# KiCad board demomatrix.kicad_pcb (continued)
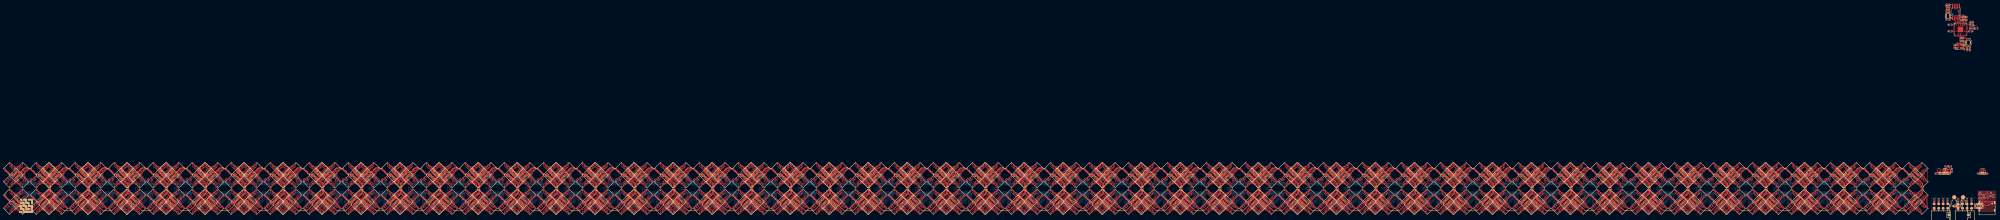
[diagram p0: board, top side]
## Library data of the parts (continued)
U112 = -: atopile_address: clusters[22].rows[0].pixels[0].generic_pixel; atopile_subaddresses: [elec/layout/cluster2x2/cluster2x2.kicad_pcb:rows[0].pixels[0].generic_pixel, elec/layout/pixel15hl5050/pixel15hl5050.kicad_pcb:generic_pixel, elec/layout/row2/row2.kicad_pcb:pixels[0].generic_pixel]
U113 = -: atopile_address: clusters[22].rows[0].pixels[1].generic_pixel; atopile_subaddresses: [elec/layout/cluster2x2/cluster2x2.kicad_pcb:rows[0].pixels[1].generic_pixel, elec/layout/pixel15hl5050/pixel15hl5050.kicad_pcb:generic_pixel, elec/layout/row2/row2.kicad_pcb:pixels[1].generic_pixel]
U114 = -: atopile_address: clusters[22].rows[1].pixels[0].generic_pixel; atopile_subaddresses: [elec/layout/cluster2x2/cluster2x2.kicad_pcb:rows[1].pixels[0].generic_pixel, elec/layout/pixel15hl5050/pixel15hl5050.kicad_pcb:generic_pixel, elec/layout/row2/row2.kicad_pcb:pixels[0].generic_pixel]
U115 = -: atopile_address: clusters[22].rows[1].pixels[1].generic_pixel; atopile_subaddresses: [elec/layout/cluster2x2/cluster2x2.kicad_pcb:rows[1].pixels[1].generic_pixel, elec/layout/pixel15hl5050/pixel15hl5050.kicad_pcb:generic_pixel, elec/layout/row2/row2.kicad_pcb:pixels[1].generic_pixel]
U116 = -: Datasheet: https://lcsc.com/datasheet/lcsc_datasheet_1811151431_MBI-MBI5043GP-A_C110098.pdf; LCSC: C110098; Manufacturer: MBI; Partnumber: MBI5043GP-A; atopile_address: clusters[23].driver.package; atopile_subaddresses: [elec/layout/cluster2x2/cluster2x2.kicad_pcb:driver.package, elec/src/macroblock-mbi5043/layouts/default/default.kicad_pcb:package]
U117 = -: atopile_address: clusters[23].rows[0].pixels[0].generic_pixel; atopile_subaddresses: [elec/layout/cluster2x2/cluster2x2.kicad_pcb:rows[0].pixels[0].generic_pixel, elec/layout/pixel15hl5050/pixel15hl5050.kicad_pcb:generic_pixel, elec/layout/row2/row2.kicad_pcb:pixels[0].generic_pixel]
U118 = -: atopile_address: clusters[23].rows[0].pixels[1].generic_pixel; atopile_subaddresses: [elec/layout/cluster2x2/cluster2x2.kicad_pcb:rows[0].pixels[1].generic_pixel, elec/layout/pixel15hl5050/pixel15hl5050.kicad_pcb:generic_pixel, elec/layout/row2/row2.kicad_pcb:pixels[1].generic_pixel]
U119 = -: atopile_address: clusters[23].rows[1].pixels[0].generic_pixel; atopile_subaddresses: [elec/layout/cluster2x2/cluster2x2.kicad_pcb:rows[1].pixels[0].generic_pixel, elec/layout/pixel15hl5050/pixel15hl5050.kicad_pcb:generic_pixel, elec/layout/row2/row2.kicad_pcb:pixels[0].generic_pixel]
U120 = -: atopile_address: clusters[23].rows[1].pixels[1].generic_pixel; atopile_subaddresses: [elec/layout/cluster2x2/cluster2x2.kicad_pcb:rows[1].pixels[1].generic_pixel, elec/layout/pixel15hl5050/pixel15hl5050.kicad_pcb:generic_pixel, elec/layout/row2/row2.kicad_pcb:pixels[1].generic_pixel]
U121 = -: Datasheet: https://lcsc.com/datasheet/lcsc_datasheet_1811151431_MBI-MBI5043GP-A_C110098.pdf; LCSC: C110098; Manufacturer: MBI; Partnumber: MBI5043GP-A; atopile_address: clusters[24].driver.package; atopile_subaddresses: [elec/layout/cluster2x2/cluster2x2.kicad_pcb:driver.package, elec/src/macroblock-mbi5043/layouts/default/default.kicad_pcb:package]
U122 = -: atopile_address: clusters[24].rows[0].pixels[0].generic_pixel; atopile_subaddresses: [elec/layout/cluster2x2/cluster2x2.kicad_pcb:rows[0].pixels[0].generic_pixel, elec/layout/pixel15hl5050/pixel15hl5050.kicad_pcb:generic_pixel, elec/layout/row2/row2.kicad_pcb:pixels[0].generic_pixel]
U123 = -: atopile_address: clusters[24].rows[0].pixels[1].generic_pixel; atopile_subaddresses: [elec/layout/cluster2x2/cluster2x2.kicad_pcb:rows[0].pixels[1].generic_pixel, elec/layout/pixel15hl5050/pixel15hl5050.kicad_pcb:generic_pixel, elec/layout/row2/row2.kicad_pcb:pixels[1].generic_pixel]
U124 = -: atopile_address: clusters[24].rows[1].pixels[0].generic_pixel; atopile_subaddresses: [elec/layout/cluster2x2/cluster2x2.kicad_pcb:rows[1].pixels[0].generic_pixel, elec/layout/pixel15hl5050/pixel15hl5050.kicad_pcb:generic_pixel, elec/layout/row2/row2.kicad_pcb:pixels[0].generic_pixel]
U125 = -: atopile_address: clusters[24].rows[1].pixels[1].generic_pixel; atopile_subaddresses: [elec/layout/cluster2x2/cluster2x2.kicad_pcb:rows[1].pixels[1].generic_pixel, elec/layout/pixel15hl5050/pixel15hl5050.kicad_pcb:generic_pixel, elec/layout/row2/row2.kicad_pcb:pixels[1].generic_pixel]
U126 = -: Datasheet: https://lcsc.com/datasheet/lcsc_datasheet_1811151431_MBI-MBI5043GP-A_C110098.pdf; LCSC: C110098; Manufacturer: MBI; Partnumber: MBI5043GP-A; atopile_address: clusters[25].driver.package; atopile_subaddresses: [elec/layout/cluster2x2/cluster2x2.kicad_pcb:driver.package, elec/src/macroblock-mbi5043/layouts/default/default.kicad_pcb:package]
U127 = -: atopile_address: clusters[25].rows[0].pixels[0].generic_pixel; atopile_subaddresses: [elec/layout/cluster2x2/cluster2x2.kicad_pcb:rows[0].pixels[0].generic_pixel, elec/layout/pixel15hl5050/pixel15hl5050.kicad_pcb:generic_pixel, elec/layout/row2/row2.kicad_pcb:pixels[0].generic_pixel]
U128 = -: atopile_address: clusters[25].rows[0].pixels[1].generic_pixel; atopile_subaddresses: [elec/layout/cluster2x2/cluster2x2.kicad_pcb:rows[0].pixels[1].generic_pixel, elec/layout/pixel15hl5050/pixel15hl5050.kicad_pcb:generic_pixel, elec/layout/row2/row2.kicad_pcb:pixels[1].generic_pixel]
U129 = -: atopile_address: clusters[25].rows[1].pixels[0].generic_pixel; atopile_subaddresses: [elec/layout/cluster2x2/cluster2x2.kicad_pcb:rows[1].pixels[0].generic_pixel, elec/layout/pixel15hl5050/pixel15hl5050.kicad_pcb:generic_pixel, elec/layout/row2/row2.kicad_pcb:pixels[0].generic_pixel]
U130 = -: atopile_address: clusters[25].rows[1].pixels[1].generic_pixel; atopile_subaddresses: [elec/layout/cluster2x2/cluster2x2.kicad_pcb:rows[1].pixels[1].generic_pixel, elec/layout/pixel15hl5050/pixel15hl5050.kicad_pcb:generic_pixel, elec/layout/row2/row2.kicad_pcb:pixels[1].generic_pixel]
U131 = -: Datasheet: https://lcsc.com/datasheet/lcsc_datasheet_1811151431_MBI-MBI5043GP-A_C110098.pdf; LCSC: C110098; Manufacturer: MBI; Partnumber: MBI5043GP-A; atopile_address: clusters[26].driver.package; atopile_subaddresses: [elec/layout/cluster2x2/cluster2x2.kicad_pcb:driver.package, elec/src/macroblock-mbi5043/layouts/default/default.kicad_pcb:package]
U132 = -: atopile_address: clusters[26].rows[0].pixels[0].generic_pixel; atopile_subaddresses: [elec/layout/cluster2x2/cluster2x2.kicad_pcb:rows[0].pixels[0].generic_pixel, elec/layout/pixel15hl5050/pixel15hl5050.kicad_pcb:generic_pixel, elec/layout/row2/row2.kicad_pcb:pixels[0].generic_pixel]
U133 = -: atopile_address: clusters[26].rows[0].pixels[1].generic_pixel; atopile_subaddresses: [elec/layout/cluster2x2/cluster2x2.kicad_pcb:rows[0].pixels[1].generic_pixel, elec/layout/pixel15hl5050/pixel15hl5050.kicad_pcb:generic_pixel, elec/layout/row2/row2.kicad_pcb:pixels[1].generic_pixel]
U134 = -: atopile_address: clusters[26].rows[1].pixels[0].generic_pixel; atopile_subaddresses: [elec/layout/cluster2x2/cluster2x2.kicad_pcb:rows[1].pixels[0].generic_pixel, elec/layout/pixel15hl5050/pixel15hl5050.kicad_pcb:generic_pixel, elec/layout/row2/row2.kicad_pcb:pixels[0].generic_pixel]
U135 = -: atopile_address: clusters[26].rows[1].pixels[1].generic_pixel; atopile_subaddresses: [elec/layout/cluster2x2/cluster2x2.kicad_pcb:rows[1].pixels[1].generic_pixel, elec/layout/pixel15hl5050/pixel15hl5050.kicad_pcb:generic_pixel, elec/layout/row2/row2.kicad_pcb:pixels[1].generic_pixel]
U136 = -: Datasheet: https://lcsc.com/datasheet/lcsc_datasheet_1811151431_MBI-MBI5043GP-A_C110098.pdf; LCSC: C110098; Manufacturer: MBI; Partnumber: MBI5043GP-A; atopile_address: clusters[27].driver.package; atopile_subaddresses: [elec/layout/cluster2x2/cluster2x2.kicad_pcb:driver.package, elec/src/macroblock-mbi5043/layouts/default/default.kicad_pcb:package]
U137 = -: atopile_address: clusters[27].rows[0].pixels[0].generic_pixel; atopile_subaddresses: [elec/layout/cluster2x2/cluster2x2.kicad_pcb:rows[0].pixels[0].generic_pixel, elec/layout/pixel15hl5050/pixel15hl5050.kicad_pcb:generic_pixel, elec/layout/row2/row2.kicad_pcb:pixels[0].generic_pixel]
U138 = -: atopile_address: clusters[27].rows[0].pixels[1].generic_pixel; atopile_subaddresses: [elec/layout/cluster2x2/cluster2x2.kicad_pcb:rows[0].pixels[1].generic_pixel, elec/layout/pixel15hl5050/pixel15hl5050.kicad_pcb:generic_pixel, elec/layout/row2/row2.kicad_pcb:pixels[1].generic_pixel]
U139 = -: atopile_address: clusters[27].rows[1].pixels[0].generic_pixel; atopile_subaddresses: [elec/layout/cluster2x2/cluster2x2.kicad_pcb:rows[1].pixels[0].generic_pixel, elec/layout/pixel15hl5050/pixel15hl5050.kicad_pcb:generic_pixel, elec/layout/row2/row2.kicad_pcb:pixels[0].generic_pixel]
U140 = -: atopile_address: clusters[27].rows[1].pixels[1].generic_pixel; atopile_subaddresses: [elec/layout/cluster2x2/cluster2x2.kicad_pcb:rows[1].pixels[1].generic_pixel, elec/layout/pixel15hl5050/pixel15hl5050.kicad_pcb:generic_pixel, elec/layout/row2/row2.kicad_pcb:pixels[1].generic_pixel]
U141 = -: Datasheet: https://lcsc.com/datasheet/lcsc_datasheet_1811151431_MBI-MBI5043GP-A_C110098.pdf; LCSC: C110098; Manufacturer: MBI; Partnumber: MBI5043GP-A; atopile_address: clusters[28].driver.package; atopile_subaddresses: [elec/layout/cluster2x2/cluster2x2.kicad_pcb:driver.package, elec/src/macroblock-mbi5043/layouts/default/default.kicad_pcb:package]
U142 = -: atopile_address: clusters[28].rows[0].pixels[0].generic_pixel; atopile_subaddresses: [elec/layout/cluster2x2/cluster2x2.kicad_pcb:rows[0].pixels[0].generic_pixel, elec/layout/pixel15hl5050/pixel15hl5050.kicad_pcb:generic_pixel, elec/layout/row2/row2.kicad_pcb:pixels[0].generic_pixel]
U143 = -: atopile_address: clusters[28].rows[0].pixels[1].generic_pixel; atopile_subaddresses: [elec/layout/cluster2x2/cluster2x2.kicad_pcb:rows[0].pixels[1].generic_pixel, elec/layout/pixel15hl5050/pixel15hl5050.kicad_pcb:generic_pixel, elec/layout/row2/row2.kicad_pcb:pixels[1].generic_pixel]
U144 = -: atopile_address: clusters[28].rows[1].pixels[0].generic_pixel; atopile_subaddresses: [elec/layout/cluster2x2/cluster2x2.kicad_pcb:rows[1].pixels[0].generic_pixel, elec/layout/pixel15hl5050/pixel15hl5050.kicad_pcb:generic_pixel, elec/layout/row2/row2.kicad_pcb:pixels[0].generic_pixel]
U145 = -: atopile_address: clusters[28].rows[1].pixels[1].generic_pixel; atopile_subaddresses: [elec/layout/cluster2x2/cluster2x2.kicad_pcb:rows[1].pixels[1].generic_pixel, elec/layout/pixel15hl5050/pixel15hl5050.kicad_pcb:generic_pixel, elec/layout/row2/row2.kicad_pcb:pixels[1].generic_pixel]
U146 = -: Datasheet: https://lcsc.com/datasheet/lcsc_datasheet_1811151431_MBI-MBI5043GP-A_C110098.pdf; LCSC: C110098; Manufacturer: MBI; Partnumber: MBI5043GP-A; atopile_address: clusters[29].driver.package; atopile_subaddresses: [elec/layout/cluster2x2/cluster2x2.kicad_pcb:driver.package, elec/src/macroblock-mbi5043/layouts/default/default.kicad_pcb:package]
U147 = -: atopile_address: clusters[29].rows[0].pixels[0].generic_pixel; atopile_subaddresses: [elec/layout/cluster2x2/cluster2x2.kicad_pcb:rows[0].pixels[0].generic_pixel, elec/layout/pixel15hl5050/pixel15hl5050.kicad_pcb:generic_pixel, elec/layout/row2/row2.kicad_pcb:pixels[0].generic_pixel]
U148 = -: atopile_address: clusters[29].rows[0].pixels[1].generic_pixel; atopile_subaddresses: [elec/layout/cluster2x2/cluster2x2.kicad_pcb:rows[0].pixels[1].generic_pixel, elec/layout/pixel15hl5050/pixel15hl5050.kicad_pcb:generic_pixel, elec/layout/row2/row2.kicad_pcb:pixels[1].generic_pixel]
U149 = -: atopile_address: clusters[29].rows[1].pixels[0].generic_pixel; atopile_subaddresses: [elec/layout/cluster2x2/cluster2x2.kicad_pcb:rows[1].pixels[0].generic_pixel, elec/layout/pixel15hl5050/pixel15hl5050.kicad_pcb:generic_pixel, elec/layout/row2/row2.kicad_pcb:pixels[0].generic_pixel]
U150 = -: atopile_address: clusters[29].rows[1].pixels[1].generic_pixel; atopile_subaddresses: [elec/layout/cluster2x2/cluster2x2.kicad_pcb:rows[1].pixels[1].generic_pixel, elec/layout/pixel15hl5050/pixel15hl5050.kicad_pcb:generic_pixel, elec/layout/row2/row2.kicad_pcb:pixels[1].generic_pixel]
U151 = -: Datasheet: https://lcsc.com/datasheet/lcsc_datasheet_1811151431_MBI-MBI5043GP-A_C110098.pdf; LCSC: C110098; Manufacturer: MBI; Partnumber: MBI5043GP-A; atopile_address: clusters[30].driver.package; atopile_subaddresses: [elec/layout/cluster2x2/cluster2x2.kicad_pcb:driver.package, elec/src/macroblock-mbi5043/layouts/default/default.kicad_pcb:package]
U152 = -: atopile_address: clusters[30].rows[0].pixels[0].generic_pixel; atopile_subaddresses: [elec/layout/cluster2x2/cluster2x2.kicad_pcb:rows[0].pixels[0].generic_pixel, elec/layout/pixel15hl5050/pixel15hl5050.kicad_pcb:generic_pixel, elec/layout/row2/row2.kicad_pcb:pixels[0].generic_pixel]
U153 = -: atopile_address: clusters[30].rows[0].pixels[1].generic_pixel; atopile_subaddresses: [elec/layout/cluster2x2/cluster2x2.kicad_pcb:rows[0].pixels[1].generic_pixel, elec/layout/pixel15hl5050/pixel15hl5050.kicad_pcb:generic_pixel, elec/layout/row2/row2.kicad_pcb:pixels[1].generic_pixel]
U154 = -: atopile_address: clusters[30].rows[1].pixels[0].generic_pixel; atopile_subaddresses: [elec/layout/cluster2x2/cluster2x2.kicad_pcb:rows[1].pixels[0].generic_pixel, elec/layout/pixel15hl5050/pixel15hl5050.kicad_pcb:generic_pixel, elec/layout/row2/row2.kicad_pcb:pixels[0].generic_pixel]
U155 = -: atopile_address: clusters[30].rows[1].pixels[1].generic_pixel; atopile_subaddresses: [elec/layout/cluster2x2/cluster2x2.kicad_pcb:rows[1].pixels[1].generic_pixel, elec/layout/pixel15hl5050/pixel15hl5050.kicad_pcb:generic_pixel, elec/layout/row2/row2.kicad_pcb:pixels[1].generic_pixel]
U156 = -: Datasheet: https://lcsc.com/datasheet/lcsc_datasheet_1811151431_MBI-MBI5043GP-A_C110098.pdf; LCSC: C110098; Manufacturer: MBI; Partnumber: MBI5043GP-A; atopile_address: clusters[31].driver.package; atopile_subaddresses: [elec/layout/cluster2x2/cluster2x2.kicad_pcb:driver.package, elec/src/macroblock-mbi5043/layouts/default/default.kicad_pcb:package]
U157 = -: atopile_address: clusters[31].rows[0].pixels[0].generic_pixel; atopile_subaddresses: [elec/layout/cluster2x2/cluster2x2.kicad_pcb:rows[0].pixels[0].generic_pixel, elec/layout/pixel15hl5050/pixel15hl5050.kicad_pcb:generic_pixel, elec/layout/row2/row2.kicad_pcb:pixels[0].generic_pixel]
U158 = -: atopile_address: clusters[31].rows[0].pixels[1].generic_pixel; atopile_subaddresses: [elec/layout/cluster2x2/cluster2x2.kicad_pcb:rows[0].pixels[1].generic_pixel, elec/layout/pixel15hl5050/pixel15hl5050.kicad_pcb:generic_pixel, elec/layout/row2/row2.kicad_pcb:pixels[1].generic_pixel]
U159 = -: atopile_address: clusters[31].rows[1].pixels[0].generic_pixel; atopile_subaddresses: [elec/layout/cluster2x2/cluster2x2.kicad_pcb:rows[1].pixels[0].generic_pixel, elec/layout/pixel15hl5050/pixel15hl5050.kicad_pcb:generic_pixel, elec/layout/row2/row2.kicad_pcb:pixels[0].generic_pixel]
U160 = -: atopile_address: clusters[31].rows[1].pixels[1].generic_pixel; atopile_subaddresses: [elec/layout/cluster2x2/cluster2x2.kicad_pcb:rows[1].pixels[1].generic_pixel, elec/layout/pixel15hl5050/pixel15hl5050.kicad_pcb:generic_pixel, elec/layout/row2/row2.kicad_pcb:pixels[1].generic_pixel]
U161 = -: Datasheet: https://lcsc.com/datasheet/lcsc_datasheet_1811151431_MBI-MBI5043GP-A_C110098.pdf; LCSC: C110098; Manufacturer: MBI; Partnumber: MBI5043GP-A; atopile_address: clusters[32].driver.package; atopile_subaddresses: [elec/layout/cluster2x2/cluster2x2.kicad_pcb:driver.package, elec/src/macroblock-mbi5043/layouts/default/default.kicad_pcb:package]
U162 = -: atopile_address: clusters[32].rows[0].pixels[0].generic_pixel; atopile_subaddresses: [elec/layout/cluster2x2/cluster2x2.kicad_pcb:rows[0].pixels[0].generic_pixel, elec/layout/pixel15hl5050/pixel15hl5050.kicad_pcb:generic_pixel, elec/layout/row2/row2.kicad_pcb:pixels[0].generic_pixel]
U163 = -: atopile_address: clusters[32].rows[0].pixels[1].generic_pixel; atopile_subaddresses: [elec/layout/cluster2x2/cluster2x2.kicad_pcb:rows[0].pixels[1].generic_pixel, elec/layout/pixel15hl5050/pixel15hl5050.kicad_pcb:generic_pixel, elec/layout/row2/row2.kicad_pcb:pixels[1].generic_pixel]
U164 = -: atopile_address: clusters[32].rows[1].pixels[0].generic_pixel; atopile_subaddresses: [elec/layout/cluster2x2/cluster2x2.kicad_pcb:rows[1].pixels[0].generic_pixel, elec/layout/pixel15hl5050/pixel15hl5050.kicad_pcb:generic_pixel, elec/layout/row2/row2.kicad_pcb:pixels[0].generic_pixel]
U165 = -: atopile_address: clusters[32].rows[1].pixels[1].generic_pixel; atopile_subaddresses: [elec/layout/cluster2x2/cluster2x2.kicad_pcb:rows[1].pixels[1].generic_pixel, elec/layout/pixel15hl5050/pixel15hl5050.kicad_pcb:generic_pixel, elec/layout/row2/row2.kicad_pcb:pixels[1].generic_pixel]
U166 = -: Datasheet: https://lcsc.com/datasheet/lcsc_datasheet_1811151431_MBI-MBI5043GP-A_C110098.pdf; LCSC: C110098; Manufacturer: MBI; Partnumber: MBI5043GP-A; atopile_address: clusters[33].driver.package; atopile_subaddresses: [elec/layout/cluster2x2/cluster2x2.kicad_pcb:driver.package, elec/src/macroblock-mbi5043/layouts/default/default.kicad_pcb:package]
U167 = -: atopile_address: clusters[33].rows[0].pixels[0].generic_pixel; atopile_subaddresses: [elec/layout/cluster2x2/cluster2x2.kicad_pcb:rows[0].pixels[0].generic_pixel, elec/layout/pixel15hl5050/pixel15hl5050.kicad_pcb:generic_pixel, elec/layout/row2/row2.kicad_pcb:pixels[0].generic_pixel]
U168 = -: atopile_address: clusters[33].rows[0].pixels[1].generic_pixel; atopile_subaddresses: [elec/layout/cluster2x2/cluster2x2.kicad_pcb:rows[0].pixels[1].generic_pixel, elec/layout/pixel15hl5050/pixel15hl5050.kicad_pcb:generic_pixel, elec/layout/row2/row2.kicad_pcb:pixels[1].generic_pixel]
U169 = -: atopile_address: clusters[33].rows[1].pixels[0].generic_pixel; atopile_subaddresses: [elec/layout/cluster2x2/cluster2x2.kicad_pcb:rows[1].pixels[0].generic_pixel, elec/layout/pixel15hl5050/pixel15hl5050.kicad_pcb:generic_pixel, elec/layout/row2/row2.kicad_pcb:pixels[0].generic_pixel]
U170 = -: atopile_address: clusters[33].rows[1].pixels[1].generic_pixel; atopile_subaddresses: [elec/layout/cluster2x2/cluster2x2.kicad_pcb:rows[1].pixels[1].generic_pixel, elec/layout/pixel15hl5050/pixel15hl5050.kicad_pcb:generic_pixel, elec/layout/row2/row2.kicad_pcb:pixels[1].generic_pixel]
U171 = -: Datasheet: https://lcsc.com/datasheet/lcsc_datasheet_1811151431_MBI-MBI5043GP-A_C110098.pdf; LCSC: C110098; Manufacturer: MBI; Partnumber: MBI5043GP-A; atopile_address: clusters[34].driver.package; atopile_subaddresses: [elec/layout/cluster2x2/cluster2x2.kicad_pcb:driver.package, elec/src/macroblock-mbi5043/layouts/default/default.kicad_pcb:package]
U172 = -: atopile_address: clusters[34].rows[0].pixels[0].generic_pixel; atopile_subaddresses: [elec/layout/cluster2x2/cluster2x2.kicad_pcb:rows[0].pixels[0].generic_pixel, elec/layout/pixel15hl5050/pixel15hl5050.kicad_pcb:generic_pixel, elec/layout/row2/row2.kicad_pcb:pixels[0].generic_pixel]
U173 = -: atopile_address: clusters[34].rows[0].pixels[1].generic_pixel; atopile_subaddresses: [elec/layout/cluster2x2/cluster2x2.kicad_pcb:rows[0].pixels[1].generic_pixel, elec/layout/pixel15hl5050/pixel15hl5050.kicad_pcb:generic_pixel, elec/layout/row2/row2.kicad_pcb:pixels[1].generic_pixel]
U174 = -: atopile_address: clusters[34].rows[1].pixels[0].generic_pixel; atopile_subaddresses: [elec/layout/cluster2x2/cluster2x2.kicad_pcb:rows[1].pixels[0].generic_pixel, elec/layout/pixel15hl5050/pixel15hl5050.kicad_pcb:generic_pixel, elec/layout/row2/row2.kicad_pcb:pixels[0].generic_pixel]
U175 = -: atopile_address: clusters[34].rows[1].pixels[1].generic_pixel; atopile_subaddresses: [elec/layout/cluster2x2/cluster2x2.kicad_pcb:rows[1].pixels[1].generic_pixel, elec/layout/pixel15hl5050/pixel15hl5050.kicad_pcb:generic_pixel, elec/layout/row2/row2.kicad_pcb:pixels[1].generic_pixel]
U176 = -: Datasheet: https://lcsc.com/datasheet/lcsc_datasheet_1811151431_MBI-MBI5043GP-A_C110098.pdf; LCSC: C110098; Manufacturer: MBI; Partnumber: MBI5043GP-A; atopile_address: clusters[35].driver.package; atopile_subaddresses: [elec/layout/cluster2x2/cluster2x2.kicad_pcb:driver.package, elec/src/macroblock-mbi5043/layouts/default/default.kicad_pcb:package]
U177 = -: atopile_address: clusters[35].rows[0].pixels[0].generic_pixel; atopile_subaddresses: [elec/layout/cluster2x2/cluster2x2.kicad_pcb:rows[0].pixels[0].generic_pixel, elec/layout/pixel15hl5050/pixel15hl5050.kicad_pcb:generic_pixel, elec/layout/row2/row2.kicad_pcb:pixels[0].generic_pixel]
U178 = -: atopile_address: clusters[35].rows[0].pixels[1].generic_pixel; atopile_subaddresses: [elec/layout/cluster2x2/cluster2x2.kicad_pcb:rows[0].pixels[1].generic_pixel, elec/layout/pixel15hl5050/pixel15hl5050.kicad_pcb:generic_pixel, elec/layout/row2/row2.kicad_pcb:pixels[1].generic_pixel]
U179 = -: atopile_address: clusters[35].rows[1].pixels[0].generic_pixel; atopile_subaddresses: [elec/layout/cluster2x2/cluster2x2.kicad_pcb:rows[1].pixels[0].generic_pixel, elec/layout/pixel15hl5050/pixel15hl5050.kicad_pcb:generic_pixel, elec/layout/row2/row2.kicad_pcb:pixels[0].generic_pixel]
U180 = -: atopile_address: clusters[35].rows[1].pixels[1].generic_pixel; atopile_subaddresses: [elec/layout/cluster2x2/cluster2x2.kicad_pcb:rows[1].pixels[1].generic_pixel, elec/layout/pixel15hl5050/pixel15hl5050.kicad_pcb:generic_pixel, elec/layout/row2/row2.kicad_pcb:pixels[1].generic_pixel]
U181 = -: Datasheet: https://lcsc.com/datasheet/lcsc_datasheet_1811151431_MBI-MBI5043GP-A_C110098.pdf; LCSC: C110098; Manufacturer: MBI; Partnumber: MBI5043GP-A; atopile_address: clusters[36].driver.package; atopile_subaddresses: [elec/layout/cluster2x2/cluster2x2.kicad_pcb:driver.package, elec/src/macroblock-mbi5043/layouts/default/default.kicad_pcb:package]
U182 = -: atopile_address: clusters[36].rows[0].pixels[0].generic_pixel; atopile_subaddresses: [elec/layout/cluster2x2/cluster2x2.kicad_pcb:rows[0].pixels[0].generic_pixel, elec/layout/pixel15hl5050/pixel15hl5050.kicad_pcb:generic_pixel, elec/layout/row2/row2.kicad_pcb:pixels[0].generic_pixel]
U183 = -: atopile_address: clusters[36].rows[0].pixels[1].generic_pixel; atopile_subaddresses: [elec/layout/cluster2x2/cluster2x2.kicad_pcb:rows[0].pixels[1].generic_pixel, elec/layout/pixel15hl5050/pixel15hl5050.kicad_pcb:generic_pixel, elec/layout/row2/row2.kicad_pcb:pixels[1].generic_pixel]
U184 = -: atopile_address: clusters[36].rows[1].pixels[0].generic_pixel; atopile_subaddresses: [elec/layout/cluster2x2/cluster2x2.kicad_pcb:rows[1].pixels[0].generic_pixel, elec/layout/pixel15hl5050/pixel15hl5050.kicad_pcb:generic_pixel, elec/layout/row2/row2.kicad_pcb:pixels[0].generic_pixel]
U185 = -: atopile_address: clusters[36].rows[1].pixels[1].generic_pixel; atopile_subaddresses: [elec/layout/cluster2x2/cluster2x2.kicad_pcb:rows[1].pixels[1].generic_pixel, elec/layout/pixel15hl5050/pixel15hl5050.kicad_pcb:generic_pixel, elec/layout/row2/row2.kicad_pcb:pixels[1].generic_pixel]
U186 = -: Datasheet: https://lcsc.com/datasheet/lcsc_datasheet_1811151431_MBI-MBI5043GP-A_C110098.pdf; LCSC: C110098; Manufacturer: MBI; Partnumber: MBI5043GP-A; atopile_address: clusters[37].driver.package; atopile_subaddresses: [elec/layout/cluster2x2/cluster2x2.kicad_pcb:driver.package, elec/src/macroblock-mbi5043/layouts/default/default.kicad_pcb:package]
U187 = -: atopile_address: clusters[37].rows[0].pixels[0].generic_pixel; atopile_subaddresses: [elec/layout/cluster2x2/cluster2x2.kicad_pcb:rows[0].pixels[0].generic_pixel, elec/layout/pixel15hl5050/pixel15hl5050.kicad_pcb:generic_pixel, elec/layout/row2/row2.kicad_pcb:pixels[0].generic_pixel]
U188 = -: atopile_address: clusters[37].rows[0].pixels[1].generic_pixel; atopile_subaddresses: [elec/layout/cluster2x2/cluster2x2.kicad_pcb:rows[0].pixels[1].generic_pixel, elec/layout/pixel15hl5050/pixel15hl5050.kicad_pcb:generic_pixel, elec/layout/row2/row2.kicad_pcb:pixels[1].generic_pixel]
U189 = -: atopile_address: clusters[37].rows[1].pixels[0].generic_pixel; atopile_subaddresses: [elec/layout/cluster2x2/cluster2x2.kicad_pcb:rows[1].pixels[0].generic_pixel, elec/layout/pixel15hl5050/pixel15hl5050.kicad_pcb:generic_pixel, elec/layout/row2/row2.kicad_pcb:pixels[0].generic_pixel]
U190 = -: atopile_address: clusters[37].rows[1].pixels[1].generic_pixel; atopile_subaddresses: [elec/layout/cluster2x2/cluster2x2.kicad_pcb:rows[1].pixels[1].generic_pixel, elec/layout/pixel15hl5050/pixel15hl5050.kicad_pcb:generic_pixel, elec/layout/row2/row2.kicad_pcb:pixels[1].generic_pixel]
U191 = -: Datasheet: https://lcsc.com/datasheet/lcsc_datasheet_1811151431_MBI-MBI5043GP-A_C110098.pdf; LCSC: C110098; Manufacturer: MBI; Partnumber: MBI5043GP-A; atopile_address: clusters[38].driver.package; atopile_subaddresses: [elec/layout/cluster2x2/cluster2x2.kicad_pcb:driver.package, elec/src/macroblock-mbi5043/layouts/default/default.kicad_pcb:package]
U192 = -: atopile_address: clusters[38].rows[0].pixels[0].generic_pixel; atopile_subaddresses: [elec/layout/cluster2x2/cluster2x2.kicad_pcb:rows[0].pixels[0].generic_pixel, elec/layout/pixel15hl5050/pixel15hl5050.kicad_pcb:generic_pixel, elec/layout/row2/row2.kicad_pcb:pixels[0].generic_pixel]
U193 = -: atopile_address: clusters[38].rows[0].pixels[1].generic_pixel; atopile_subaddresses: [elec/layout/cluster2x2/cluster2x2.kicad_pcb:rows[0].pixels[1].generic_pixel, elec/layout/pixel15hl5050/pixel15hl5050.kicad_pcb:generic_pixel, elec/layout/row2/row2.kicad_pcb:pixels[1].generic_pixel]
U194 = -: atopile_address: clusters[38].rows[1].pixels[0].generic_pixel; atopile_subaddresses: [elec/layout/cluster2x2/cluster2x2.kicad_pcb:rows[1].pixels[0].generic_pixel, elec/layout/pixel15hl5050/pixel15hl5050.kicad_pcb:generic_pixel, elec/layout/row2/row2.kicad_pcb:pixels[0].generic_pixel]
U195 = -: atopile_address: clusters[38].rows[1].pixels[1].generic_pixel; atopile_subaddresses: [elec/layout/cluster2x2/cluster2x2.kicad_pcb:rows[1].pixels[1].generic_pixel, elec/layout/pixel15hl5050/pixel15hl5050.kicad_pcb:generic_pixel, elec/layout/row2/row2.kicad_pcb:pixels[1].generic_pixel]
U196 = -: Datasheet: https://lcsc.com/datasheet/lcsc_datasheet_1811151431_MBI-MBI5043GP-A_C110098.pdf; LCSC: C110098; Manufacturer: MBI; Partnumber: MBI5043GP-A; atopile_address: clusters[39].driver.package; atopile_subaddresses: [elec/layout/cluster2x2/cluster2x2.kicad_pcb:driver.package, elec/src/macroblock-mbi5043/layouts/default/default.kicad_pcb:package]
U197 = -: atopile_address: clusters[39].rows[0].pixels[0].generic_pixel; atopile_subaddresses: [elec/layout/cluster2x2/cluster2x2.kicad_pcb:rows[0].pixels[0].generic_pixel, elec/layout/pixel15hl5050/pixel15hl5050.kicad_pcb:generic_pixel, elec/layout/row2/row2.kicad_pcb:pixels[0].generic_pixel]
U198 = -: atopile_address: clusters[39].rows[0].pixels[1].generic_pixel; atopile_subaddresses: [elec/layout/cluster2x2/cluster2x2.kicad_pcb:rows[0].pixels[1].generic_pixel, elec/layout/pixel15hl5050/pixel15hl5050.kicad_pcb:generic_pixel, elec/layout/row2/row2.kicad_pcb:pixels[1].generic_pixel]
U199 = -: atopile_address: clusters[39].rows[1].pixels[0].generic_pixel; atopile_subaddresses: [elec/layout/cluster2x2/cluster2x2.kicad_pcb:rows[1].pixels[0].generic_pixel, elec/layout/pixel15hl5050/pixel15hl5050.kicad_pcb:generic_pixel, elec/layout/row2/row2.kicad_pcb:pixels[0].generic_pixel]
U200 = -: atopile_address: clusters[39].rows[1].pixels[1].generic_pixel; atopile_subaddresses: [elec/layout/cluster2x2/cluster2x2.kicad_pcb:rows[1].pixels[1].generic_pixel, elec/layout/pixel15hl5050/pixel15hl5050.kicad_pcb:generic_pixel, elec/layout/row2/row2.kicad_pcb:pixels[1].generic_pixel]
U201 = -: Datasheet: https://lcsc.com/datasheet/lcsc_datasheet_1811151431_MBI-MBI5043GP-A_C110098.pdf; LCSC: C110098; Manufacturer: MBI; Partnumber: MBI5043GP-A; atopile_address: clusters[40].driver.package; atopile_subaddresses: [elec/layout/cluster2x2/cluster2x2.kicad_pcb:driver.package, elec/src/macroblock-mbi5043/layouts/default/default.kicad_pcb:package]
U202 = -: atopile_address: clusters[40].rows[0].pixels[0].generic_pixel; atopile_subaddresses: [elec/layout/cluster2x2/cluster2x2.kicad_pcb:rows[0].pixels[0].generic_pixel, elec/layout/pixel15hl5050/pixel15hl5050.kicad_pcb:generic_pixel, elec/layout/row2/row2.kicad_pcb:pixels[0].generic_pixel]
U203 = -: atopile_address: clusters[40].rows[0].pixels[1].generic_pixel; atopile_subaddresses: [elec/layout/cluster2x2/cluster2x2.kicad_pcb:rows[0].pixels[1].generic_pixel, elec/layout/pixel15hl5050/pixel15hl5050.kicad_pcb:generic_pixel, elec/layout/row2/row2.kicad_pcb:pixels[1].generic_pixel]
U204 = -: atopile_address: clusters[40].rows[1].pixels[0].generic_pixel; atopile_subaddresses: [elec/layout/cluster2x2/cluster2x2.kicad_pcb:rows[1].pixels[0].generic_pixel, elec/layout/pixel15hl5050/pixel15hl5050.kicad_pcb:generic_pixel, elec/layout/row2/row2.kicad_pcb:pixels[0].generic_pixel]
U205 = -: atopile_address: clusters[40].rows[1].pixels[1].generic_pixel; atopile_subaddresses: [elec/layout/cluster2x2/cluster2x2.kicad_pcb:rows[1].pixels[1].generic_pixel, elec/layout/pixel15hl5050/pixel15hl5050.kicad_pcb:generic_pixel, elec/layout/row2/row2.kicad_pcb:pixels[1].generic_pixel]
U206 = -: Datasheet: https://lcsc.com/datasheet/lcsc_datasheet_1811151431_MBI-MBI5043GP-A_C110098.pdf; LCSC: C110098; Manufacturer: MBI; Partnumber: MBI5043GP-A; atopile_address: clusters[41].driver.package; atopile_subaddresses: [elec/layout/cluster2x2/cluster2x2.kicad_pcb:driver.package, elec/src/macroblock-mbi5043/layouts/default/default.kicad_pcb:package]
U207 = -: atopile_address: clusters[41].rows[0].pixels[0].generic_pixel; atopile_subaddresses: [elec/layout/cluster2x2/cluster2x2.kicad_pcb:rows[0].pixels[0].generic_pixel, elec/layout/pixel15hl5050/pixel15hl5050.kicad_pcb:generic_pixel, elec/layout/row2/row2.kicad_pcb:pixels[0].generic_pixel]
U208 = -: atopile_address: clusters[41].rows[0].pixels[1].generic_pixel; atopile_subaddresses: [elec/layout/cluster2x2/cluster2x2.kicad_pcb:rows[0].pixels[1].generic_pixel, elec/layout/pixel15hl5050/pixel15hl5050.kicad_pcb:generic_pixel, elec/layout/row2/row2.kicad_pcb:pixels[1].generic_pixel]
U209 = -: atopile_address: clusters[41].rows[1].pixels[0].generic_pixel; atopile_subaddresses: [elec/layout/cluster2x2/cluster2x2.kicad_pcb:rows[1].pixels[0].generic_pixel, elec/layout/pixel15hl5050/pixel15hl5050.kicad_pcb:generic_pixel, elec/layout/row2/row2.kicad_pcb:pixels[0].generic_pixel]
U210 = -: atopile_address: clusters[41].rows[1].pixels[1].generic_pixel; atopile_subaddresses: [elec/layout/cluster2x2/cluster2x2.kicad_pcb:rows[1].pixels[1].generic_pixel, elec/layout/pixel15hl5050/pixel15hl5050.kicad_pcb:generic_pixel, elec/layout/row2/row2.kicad_pcb:pixels[1].generic_pixel]
U211 = -: Datasheet: https://lcsc.com/datasheet/lcsc_datasheet_1811151431_MBI-MBI5043GP-A_C110098.pdf; LCSC: C110098; Manufacturer: MBI; Partnumber: MBI5043GP-A; atopile_address: clusters[42].driver.package; atopile_subaddresses: [elec/layout/cluster2x2/cluster2x2.kicad_pcb:driver.package, elec/src/macroblock-mbi5043/layouts/default/default.kicad_pcb:package]
U212 = -: atopile_address: clusters[42].rows[0].pixels[0].generic_pixel; atopile_subaddresses: [elec/layout/cluster2x2/cluster2x2.kicad_pcb:rows[0].pixels[0].generic_pixel, elec/layout/pixel15hl5050/pixel15hl5050.kicad_pcb:generic_pixel, elec/layout/row2/row2.kicad_pcb:pixels[0].generic_pixel]
U213 = -: atopile_address: clusters[42].rows[0].pixels[1].generic_pixel; atopile_subaddresses: [elec/layout/cluster2x2/cluster2x2.kicad_pcb:rows[0].pixels[1].generic_pixel, elec/layout/pixel15hl5050/pixel15hl5050.kicad_pcb:generic_pixel, elec/layout/row2/row2.kicad_pcb:pixels[1].generic_pixel]
U214 = -: atopile_address: clusters[42].rows[1].pixels[0].generic_pixel; atopile_subaddresses: [elec/layout/cluster2x2/cluster2x2.kicad_pcb:rows[1].pixels[0].generic_pixel, elec/layout/pixel15hl5050/pixel15hl5050.kicad_pcb:generic_pixel, elec/layout/row2/row2.kicad_pcb:pixels[0].generic_pixel]
U215 = -: atopile_address: clusters[42].rows[1].pixels[1].generic_pixel; atopile_subaddresses: [elec/layout/cluster2x2/cluster2x2.kicad_pcb:rows[1].pixels[1].generic_pixel, elec/layout/pixel15hl5050/pixel15hl5050.kicad_pcb:generic_pixel, elec/layout/row2/row2.kicad_pcb:pixels[1].generic_pixel]
U216 = -: Datasheet: https://lcsc.com/datasheet/lcsc_datasheet_1811151431_MBI-MBI5043GP-A_C110098.pdf; LCSC: C110098; Manufacturer: MBI; Partnumber: MBI5043GP-A; atopile_address: clusters[43].driver.package; atopile_subaddresses: [elec/layout/cluster2x2/cluster2x2.kicad_pcb:driver.package, elec/src/macroblock-mbi5043/layouts/default/default.kicad_pcb:package]
U217 = -: atopile_address: clusters[43].rows[0].pixels[0].generic_pixel; atopile_subaddresses: [elec/layout/cluster2x2/cluster2x2.kicad_pcb:rows[0].pixels[0].generic_pixel, elec/layout/pixel15hl5050/pixel15hl5050.kicad_pcb:generic_pixel, elec/layout/row2/row2.kicad_pcb:pixels[0].generic_pixel]
U218 = -: atopile_address: clusters[43].rows[0].pixels[1].generic_pixel; atopile_subaddresses: [elec/layout/cluster2x2/cluster2x2.kicad_pcb:rows[0].pixels[1].generic_pixel, elec/layout/pixel15hl5050/pixel15hl5050.kicad_pcb:generic_pixel, elec/layout/row2/row2.kicad_pcb:pixels[1].generic_pixel]
U219 = -: atopile_address: clusters[43].rows[1].pixels[0].generic_pixel; atopile_subaddresses: [elec/layout/cluster2x2/cluster2x2.kicad_pcb:rows[1].pixels[0].generic_pixel, elec/layout/pixel15hl5050/pixel15hl5050.kicad_pcb:generic_pixel, elec/layout/row2/row2.kicad_pcb:pixels[0].generic_pixel]
U220 = -: atopile_address: clusters[43].rows[1].pixels[1].generic_pixel; atopile_subaddresses: [elec/layout/cluster2x2/cluster2x2.kicad_pcb:rows[1].pixels[1].generic_pixel, elec/layout/pixel15hl5050/pixel15hl5050.kicad_pcb:generic_pixel, elec/layout/row2/row2.kicad_pcb:pixels[1].generic_pixel]
U221 = -: Datasheet: https://lcsc.com/datasheet/lcsc_datasheet_1811151431_MBI-MBI5043GP-A_C110098.pdf; LCSC: C110098; Manufacturer: MBI; Partnumber: MBI5043GP-A; atopile_address: clusters[44].driver.package; atopile_subaddresses: [elec/layout/cluster2x2/cluster2x2.kicad_pcb:driver.package, elec/src/macroblock-mbi5043/layouts/default/default.kicad_pcb:package]
U222 = -: atopile_address: clusters[44].rows[0].pixels[0].generic_pixel; atopile_subaddresses: [elec/layout/cluster2x2/cluster2x2.kicad_pcb:rows[0].pixels[0].generic_pixel, elec/layout/pixel15hl5050/pixel15hl5050.kicad_pcb:generic_pixel, elec/layout/row2/row2.kicad_pcb:pixels[0].generic_pixel]
U223 = -: atopile_address: clusters[44].rows[0].pixels[1].generic_pixel; atopile_subaddresses: [elec/layout/cluster2x2/cluster2x2.kicad_pcb:rows[0].pixels[1].generic_pixel, elec/layout/pixel15hl5050/pixel15hl5050.kicad_pcb:generic_pixel, elec/layout/row2/row2.kicad_pcb:pixels[1].generic_pixel]
U224 = -: atopile_address: clusters[44].rows[1].pixels[0].generic_pixel; atopile_subaddresses: [elec/layout/cluster2x2/cluster2x2.kicad_pcb:rows[1].pixels[0].generic_pixel, elec/layout/pixel15hl5050/pixel15hl5050.kicad_pcb:generic_pixel, elec/layout/row2/row2.kicad_pcb:pixels[0].generic_pixel]
U225 = -: atopile_address: clusters[44].rows[1].pixels[1].generic_pixel; atopile_subaddresses: [elec/layout/cluster2x2/cluster2x2.kicad_pcb:rows[1].pixels[1].generic_pixel, elec/layout/pixel15hl5050/pixel15hl5050.kicad_pcb:generic_pixel, elec/layout/row2/row2.kicad_pcb:pixels[1].generic_pixel]
U226 = -: Datasheet: https://lcsc.com/datasheet/lcsc_datasheet_1811151431_MBI-MBI5043GP-A_C110098.pdf; LCSC: C110098; Manufacturer: MBI; Partnumber: MBI5043GP-A; atopile_address: clusters[45].driver.package; atopile_subaddresses: [elec/layout/cluster2x2/cluster2x2.kicad_pcb:driver.package, elec/src/macroblock-mbi5043/layouts/default/default.kicad_pcb:package]
U227 = -: atopile_address: clusters[45].rows[0].pixels[0].generic_pixel; atopile_subaddresses: [elec/layout/cluster2x2/cluster2x2.kicad_pcb:rows[0].pixels[0].generic_pixel, elec/layout/pixel15hl5050/pixel15hl5050.kicad_pcb:generic_pixel, elec/layout/row2/row2.kicad_pcb:pixels[0].generic_pixel]
U228 = -: atopile_address: clusters[45].rows[0].pixels[1].generic_pixel; atopile_subaddresses: [elec/layout/cluster2x2/cluster2x2.kicad_pcb:rows[0].pixels[1].generic_pixel, elec/layout/pixel15hl5050/pixel15hl5050.kicad_pcb:generic_pixel, elec/layout/row2/row2.kicad_pcb:pixels[1].generic_pixel]
U229 = -: atopile_address: clusters[45].rows[1].pixels[0].generic_pixel; atopile_subaddresses: [elec/layout/cluster2x2/cluster2x2.kicad_pcb:rows[1].pixels[0].generic_pixel, elec/layout/pixel15hl5050/pixel15hl5050.kicad_pcb:generic_pixel, elec/layout/row2/row2.kicad_pcb:pixels[0].generic_pixel]
U230 = -: atopile_address: clusters[45].rows[1].pixels[1].generic_pixel; atopile_subaddresses: [elec/layout/cluster2x2/cluster2x2.kicad_pcb:rows[1].pixels[1].generic_pixel, elec/layout/pixel15hl5050/pixel15hl5050.kicad_pcb:generic_pixel, elec/layout/row2/row2.kicad_pcb:pixels[1].generic_pixel]
U231 = -: Datasheet: https://lcsc.com/datasheet/lcsc_datasheet_1811151431_MBI-MBI5043GP-A_C110098.pdf; LCSC: C110098; Manufacturer: MBI; Partnumber: MBI5043GP-A; atopile_address: clusters[46].driver.package; atopile_subaddresses: [elec/layout/cluster2x2/cluster2x2.kicad_pcb:driver.package, elec/src/macroblock-mbi5043/layouts/default/default.kicad_pcb:package]
U232 = -: atopile_address: clusters[46].rows[0].pixels[0].generic_pixel; atopile_subaddresses: [elec/layout/cluster2x2/cluster2x2.kicad_pcb:rows[0].pixels[0].generic_pixel, elec/layout/pixel15hl5050/pixel15hl5050.kicad_pcb:generic_pixel, elec/layout/row2/row2.kicad_pcb:pixels[0].generic_pixel]
U233 = -: atopile_address: clusters[46].rows[0].pixels[1].generic_pixel; atopile_subaddresses: [elec/layout/cluster2x2/cluster2x2.kicad_pcb:rows[0].pixels[1].generic_pixel, elec/layout/pixel15hl5050/pixel15hl5050.kicad_pcb:generic_pixel, elec/layout/row2/row2.kicad_pcb:pixels[1].generic_pixel]
U234 = -: atopile_address: clusters[46].rows[1].pixels[0].generic_pixel; atopile_subaddresses: [elec/layout/cluster2x2/cluster2x2.kicad_pcb:rows[1].pixels[0].generic_pixel, elec/layout/pixel15hl5050/pixel15hl5050.kicad_pcb:generic_pixel, elec/layout/row2/row2.kicad_pcb:pixels[0].generic_pixel]
U235 = -: atopile_address: clusters[46].rows[1].pixels[1].generic_pixel; atopile_subaddresses: [elec/layout/cluster2x2/cluster2x2.kicad_pcb:rows[1].pixels[1].generic_pixel, elec/layout/pixel15hl5050/pixel15hl5050.kicad_pcb:generic_pixel, elec/layout/row2/row2.kicad_pcb:pixels[1].generic_pixel]
U236 = -: Datasheet: https://lcsc.com/datasheet/lcsc_datasheet_1811151431_MBI-MBI5043GP-A_C110098.pdf; LCSC: C110098; Manufacturer: MBI; Partnumber: MBI5043GP-A; atopile_address: clusters[47].driver.package; atopile_subaddresses: [elec/layout/cluster2x2/cluster2x2.kicad_pcb:driver.package, elec/src/macroblock-mbi5043/layouts/default/default.kicad_pcb:package]
U237 = -: atopile_address: clusters[47].rows[0].pixels[0].generic_pixel; atopile_subaddresses: [elec/layout/cluster2x2/cluster2x2.kicad_pcb:rows[0].pixels[0].generic_pixel, elec/layout/pixel15hl5050/pixel15hl5050.kicad_pcb:generic_pixel, elec/layout/row2/row2.kicad_pcb:pixels[0].generic_pixel]
U238 = -: atopile_address: clusters[47].rows[0].pixels[1].generic_pixel; atopile_subaddresses: [elec/layout/cluster2x2/cluster2x2.kicad_pcb:rows[0].pixels[1].generic_pixel, elec/layout/pixel15hl5050/pixel15hl5050.kicad_pcb:generic_pixel, elec/layout/row2/row2.kicad_pcb:pixels[1].generic_pixel]
U239 = -: atopile_address: clusters[47].rows[1].pixels[0].generic_pixel; atopile_subaddresses: [elec/layout/cluster2x2/cluster2x2.kicad_pcb:rows[1].pixels[0].generic_pixel, elec/layout/pixel15hl5050/pixel15hl5050.kicad_pcb:generic_pixel, elec/layout/row2/row2.kicad_pcb:pixels[0].generic_pixel]
U240 = -: atopile_address: clusters[47].rows[1].pixels[1].generic_pixel; atopile_subaddresses: [elec/layout/cluster2x2/cluster2x2.kicad_pcb:rows[1].pixels[1].generic_pixel, elec/layout/pixel15hl5050/pixel15hl5050.kicad_pcb:generic_pixel, elec/layout/row2/row2.kicad_pcb:pixels[1].generic_pixel]
U241 = -: Datasheet: https://lcsc.com/datasheet/lcsc_datasheet_1811151431_MBI-MBI5043GP-A_C110098.pdf; LCSC: C110098; Manufacturer: MBI; Partnumber: MBI5043GP-A; atopile_address: clusters[48].driver.package; atopile_subaddresses: [elec/layout/cluster2x2/cluster2x2.kicad_pcb:driver.package, elec/src/macroblock-mbi5043/layouts/default/default.kicad_pcb:package]
U242 = -: atopile_address: clusters[48].rows[0].pixels[0].generic_pixel; atopile_subaddresses: [elec/layout/cluster2x2/cluster2x2.kicad_pcb:rows[0].pixels[0].generic_pixel, elec/layout/pixel15hl5050/pixel15hl5050.kicad_pcb:generic_pixel, elec/layout/row2/row2.kicad_pcb:pixels[0].generic_pixel]
U243 = -: atopile_address: clusters[48].rows[0].pixels[1].generic_pixel; atopile_subaddresses: [elec/layout/cluster2x2/cluster2x2.kicad_pcb:rows[0].pixels[1].generic_pixel, elec/layout/pixel15hl5050/pixel15hl5050.kicad_pcb:generic_pixel, elec/layout/row2/row2.kicad_pcb:pixels[1].generic_pixel]
U244 = -: atopile_address: clusters[48].rows[1].pixels[0].generic_pixel; atopile_subaddresses: [elec/layout/cluster2x2/cluster2x2.kicad_pcb:rows[1].pixels[0].generic_pixel, elec/layout/pixel15hl5050/pixel15hl5050.kicad_pcb:generic_pixel, elec/layout/row2/row2.kicad_pcb:pixels[0].generic_pixel]
U245 = -: atopile_address: clusters[48].rows[1].pixels[1].generic_pixel; atopile_subaddresses: [elec/layout/cluster2x2/cluster2x2.kicad_pcb:rows[1].pixels[1].generic_pixel, elec/layout/pixel15hl5050/pixel15hl5050.kicad_pcb:generic_pixel, elec/layout/row2/row2.kicad_pcb:pixels[1].generic_pixel]
U246 = -: Datasheet: https://lcsc.com/datasheet/lcsc_datasheet_2412251009_Diodes-Incorporated-74LVC1T45DW-7_C168855.pdf; LCSC: C168855; Manufacturer: Diodes Incorporated; Partnumber: 74LVC1T45DW-7; atopile_address: dclk_shifter.package; atopile_subaddresses: [.ato/modules/atopile/diodes-inc-74lvc1t45dw-7/layouts/default/default.kicad_pcb:package]
U247 = -: LCSC: C2897424; Manufacturer: HCTL; Partnumber: PM254-2-04-W-8.5; atopile_address: debug_header.headers[0].package; atopile_subaddresses: [.ato/modules/atopile/saleae-header/layouts/rightangle-2/rightangle-2.kicad_pcb:headers[0].package, .ato/modules/atopile/saleae-header/layouts/rightangle/rightangle.kicad_pcb:package]
U248 = -: LCSC: C2897424; Manufacturer: HCTL; Partnumber: PM254-2-04-W-8.5; atopile_address: debug_header.headers[1].package; atopile_subaddresses: [.ato/modules/atopile/saleae-header/layouts/rightangle-2/rightangle-2.kicad_pcb:headers[1].package, .ato/modules/atopile/saleae-header/layouts/rightangle/rightangle.kicad_pcb:package]
U249 = -: Datasheet: https://lcsc.com/datasheet/lcsc_datasheet_2412251009_Diodes-Incorporated-74LVC1T45DW-7_C168855.pdf; LCSC: C168855; Manufacturer: Diodes Incorporated; Partnumber: 74LVC1T45DW-7; atopile_address: gclk_shifter.package; atopile_subaddresses: [.ato/modules/atopile/diodes-inc-74lvc1t45dw-7/layouts/default/default.kicad_pcb:package]
U250 = -: Datasheet: https://lcsc.com/datasheet/lcsc_datasheet_2412251009_Diodes-Incorporated-74LVC1T45DW-7_C168855.pdf; LCSC: C168855; Manufacturer: Diodes Incorporated; Partnumber: 74LVC1T45DW-7; atopile_address: latch_shifter.package; atopile_subaddresses: [.ato/modules/atopile/diodes-inc-74lvc1t45dw-7/layouts/default/default.kicad_pcb:package]
U251 = -: Datasheet: https://lcsc.com/datasheet/lcsc_datasheet_1912202032_ST-LDK220M-R_C443854.pdf; LCSC: C443854; Manufacturer: STMicroelectronics; Partnumber: LDK220M-R; atopile_address: ldo.package; atopile_subaddresses: [.ato/modules/atopile/st-ldk220/layouts/default/default.kicad_pcb:package]
U252 = -: LCSC: C2040; Manufacturer: Raspberry Pi; Partnumber: RP2040; atopile_address: micro.package; atopile_subaddresses: [.ato/modules/atopile/raspberry-rp2040/layouts/default/default.kicad_pcb:package]
U253 = -: LCSC: C97521; Manufacturer: Winbond Elec; Partnumber: W25Q128JVSIQ; atopile_address: micro.qspi_flash.package; atopile_subaddresses: [.ato/modules/atopile/raspberry-rp2040/layouts/default/default.kicad_pcb:qspi_flash.package]
U254 = -: Datasheet: https://lcsc.com/datasheet/lcsc_datasheet_2412251009_Diodes-Incorporated-74LVC1T45DW-7_C168855.pdf; LCSC: C168855; Manufacturer: Diodes Incorporated; Partnumber: 74LVC1T45DW-7; atopile_address: sdi_shifter.package; atopile_subaddresses: [.ato/modules/atopile/diodes-inc-74lvc1t45dw-7/layouts/default/default.kicad_pcb:package]
U255 = -: Datasheet: https://lcsc.com/datasheet/lcsc_datasheet_2412251009_Diodes-Incorporated-74LVC1T45DW-7_C168855.pdf; LCSC: C168855; Manufacturer: Diodes Incorporated; Partnumber: 74LVC1T45DW-7; atopile_address: sdo_shifter.package; atopile_subaddresses: [.ato/modules/atopile/diodes-inc-74lvc1t45dw-7/layouts/default/default.kicad_pcb:package]
USB1 = -: LCSC: C2765186; Manufacturer: SHOU HAN; Partnumber: TYPE-C 16PIN 2MD(073); atopile_address: usb_c.connector.package; atopile_subaddresses: [.ato/modules/atopile/usb-connectors/layouts/default/default.kicad_pcb:connector.package]
X1 = -: LCSC: C9002; Manufacturer: Yangxing Tech; Partnumber: X322512MSB4SI; atopile_address: micro.crystal_oscillator.crystal.package; atopile_subaddresses: [.ato/modules/atopile/raspberry-rp2040/layouts/default/default.kicad_pcb:crystal_oscillator.crystal.package]

## Footprints (pads in the part's own frame, mm; a bottom-side part is the same pattern mirrored in y, then rotated)
C0402
  rect 0.79x0.54 smd: 1(-0.55,0) 2(0.55,0)
C0805
  rect 1.41x1.35 smd: 1(-1,0) 2(1,0)
CONN-TH_XT30PW-M
  round 2.5 hole 1.8: 1(-2.5,5) 2(2.5,5)
  round 1.8 hole 1.1: 3(5.5,-5) 4(-5.5,-5)
CRYSTAL-SMD_4P-L3.2-W2.5-BL
  rect 1.4x1.2 smd: 1(-1.1,-0.85) 2(1.1,-0.85) 3(1.1,0.85) 4(-1.1,0.85)
F0805
  rect 1.33x1.5 smd: 1(-1.14,0) 2(1.14,0)
HDR-TH_8P-P2.54-H-F-R2-C4-W8.5
  rect 1.7x1.7 hole 1.1: 1(-3.81,-1.27)
  round 1.7 hole 1.1: 2(-3.81,1.27) 3(-1.27,-1.27) 4(-1.27,1.27) 5(1.27,-1.27) 6(1.27,1.27) 7(3.81,-1.27) 8(3.81,1.27)
KEY-SMD_4P-L4.2-W3.2-P2.20-LS4.6
  rect 1.05x0.7 smd: 1(-2.1,1.07) 2(2.1,1.07) 3(-2.1,-1.07) 4(2.1,-1.07)
LED0603-RD
  rect 0.8x0.8 smd: 1(-0.8,0) 2(0.8,0)
LED-SMD_8P-L5.0-W5.0-P1.20_HL-5050RGBW-S1-A27
  rect 1.1x0.54 smd: 1(2.26,1.8) 2(-2.26,1.8) 3(2.26,0.6) 4(-2.26,0.6) 5(2.26,-0.6) 6(-2.26,-0.6) 7(2.26,-1.8) 8(-2.26,-1.8)
LQFN-56_L7.0-W7.0-P0.4-EP
  rect 1.1x0.2 smd: 1(-3.55,2.6) 2(-3.55,2.2) 3(-3.55,1.8) 4(-3.55,1.4) 5(-3.55,1) 6(-3.55,0.6) 7(-3.55,0.2) 8(-3.55,-0.2) 9(-3.55,-0.6) 10(-3.55,-1) 11(-3.55,-1.4) 12(-3.55,-1.8) 13(-3.55,-2.2) 14(-3.55,-2.6) 29(3.55,-2.6) 30(3.55,-2.2) 31(3.55,-1.8) 32(3.55,-1.4) 33(3.55,-1) 34(3.55,-0.6) 35(3.55,-0.2) 36(3.55,0.2) 37(3.55,0.6) 38(3.55,1) 39(3.55,1.4) 40(3.55,1.8) 41(3.55,2.2) 42(3.55,2.6)
  rect 0.2x1.1 smd: 15(-2.6,-3.55) 16(-2.2,-3.55) 17(-1.8,-3.55) 18(-1.4,-3.55) 19(-1,-3.55) 20(-0.6,-3.55) 21(-0.2,-3.55) 22(0.2,-3.55) 23(0.6,-3.55) 24(1,-3.55) 25(1.4,-3.55) 26(1.8,-3.55) 27(2.2,-3.55) 28(2.6,-3.55) 43(2.6,3.55) 44(2.2,3.55) 45(1.8,3.55) 46(1.4,3.55) 47(1,3.55) 48(0.6,3.55) 49(0.2,3.55) 50(-0.2,3.55) 51(-0.6,3.55) 52(-1,3.55) 53(-1.4,3.55) 54(-1.8,3.55) 55(-2.2,3.55) 56(-2.6,3.55)
  rect 3.1x3.1 smd: 57(0,0)
R0402
  rect 0.57x0.54 smd: 1(-0.43,0) 2(0.43,0)
SC-70-6_L2.2-W1.3-P0.65-LS2.1-BR
  rect 0.6x0.42 smd: 1(0.95,-0.65) 2(0.95,0) 3(0.95,0.65) 4(-0.95,0.65) 5(-0.95,0) 6(-0.95,-0.65)
SOIC-8_L5.3-W5.3-P1.27-LS8.0-BL
  oval 0.63x2.25 smd: 1(-1.91,-3.53) 2(-0.63,-3.53) 3(0.63,-3.53) 4(1.9,-3.53) 5(1.9,3.53) 6(0.63,3.53) 7(-0.63,3.53) 8(-1.91,3.53)
SOT-23-5_L3.0-W1.7-P0.95-LS2.8-BL
  rect 0.49x1.16 smd: 1(-0.95,-1.15) 2(0,-1.15) 3(0.95,-1.15)
  rect 0.49x1.18 smd: 4(0.95,1.15) 5(-0.95,1.15)
SOT-23-6_L2.9-W1.6-P0.95-LS2.8-BL
  rect 0.53x1.07 smd: 1(-0.95,-1.15) 2(0,-1.15) 3(0.95,-1.15) 4(0.95,1.15) 5(0,1.15) 6(-0.95,1.15)
SSOP-24_L8.8-W4.0-P0.64-LS6.2-BL
  oval 0.36x1.82 smd: 1(-3.49,-2.66) 2(-2.86,-2.66) 3(-2.22,-2.66) 4(-1.59,-2.66) 5(-0.95,-2.66) 6(-0.32,-2.66) 7(0.32,-2.66) 8(0.95,-2.66) 9(1.59,-2.66) 10(2.22,-2.66) 11(2.86,-2.66) 12(3.49,-2.66) 13(3.49,2.66) 14(2.86,2.66) 15(2.22,2.66) 16(1.59,2.66) 17(0.95,2.66) 18(0.32,2.66) 19(-0.32,2.66) 20(-0.95,2.66) 21(-1.59,2.66) 22(-2.22,2.66) 23(-2.86,2.66) 24(-3.49,2.66)
USB-C-SMD_TYPE-C-6PIN-2MD-073
  round 0.7 hole 0.7 unplated: (-2.89,1.3) (2.89,1.3)
  rect 0.55x1.1 smd: 1(-3.2,2.38) 2(-2.4,2.38) 11(2.4,2.38) 12(3.2,2.38)
  rect 0.3x1.1 smd: 3(-1.75,2.38) 4(-1.25,2.38) 5(-0.75,2.38) 6(-0.25,2.38) 7(0.25,2.38) 8(0.75,2.38) 9(1.25,2.38) 10(1.75,2.38)
  oval 1.1x2 hole 0.6x1.5: 13(-4.32,1.83) 14(4.32,1.83)
  oval 1.2x1.8 hole 0.6x1.2: 15(4.32,-2.38) 16(-4.32,-2.38)

## Nets
3V3: C442.1 C444.1 C446.1 C449.1 C456.1 C457.1 C458.1 C459.1 C460.1 C461.1 C462.1 C463.1 C464.1 C466.1 C469.1 LED785.2 R56.1 R59.1 R62.1 R65.1 R68.2 U246.1 U246.5 U249.1 U249.5 U250.1 U250.5 U251.5 U252.1 U252.10 U252.22 U252.33 U252.42 U252.43 U252.44 U252.48 U252.49 U253.8 U254.1 U254.5 U255.6
